# Altium PCB Urukul.PcbDoc (part 5 of 12)
Units mm, origin at the board's own origin, x right, y up, seen from the top; angles counter-clockwise.
Board outline 160.99 x 100 mm, 6 copper layers (L1, P2, L3, L4, P5, L6), stack 1.648 mm thick; 971 components, 541 nets, 3373 pads, 2358 vias.
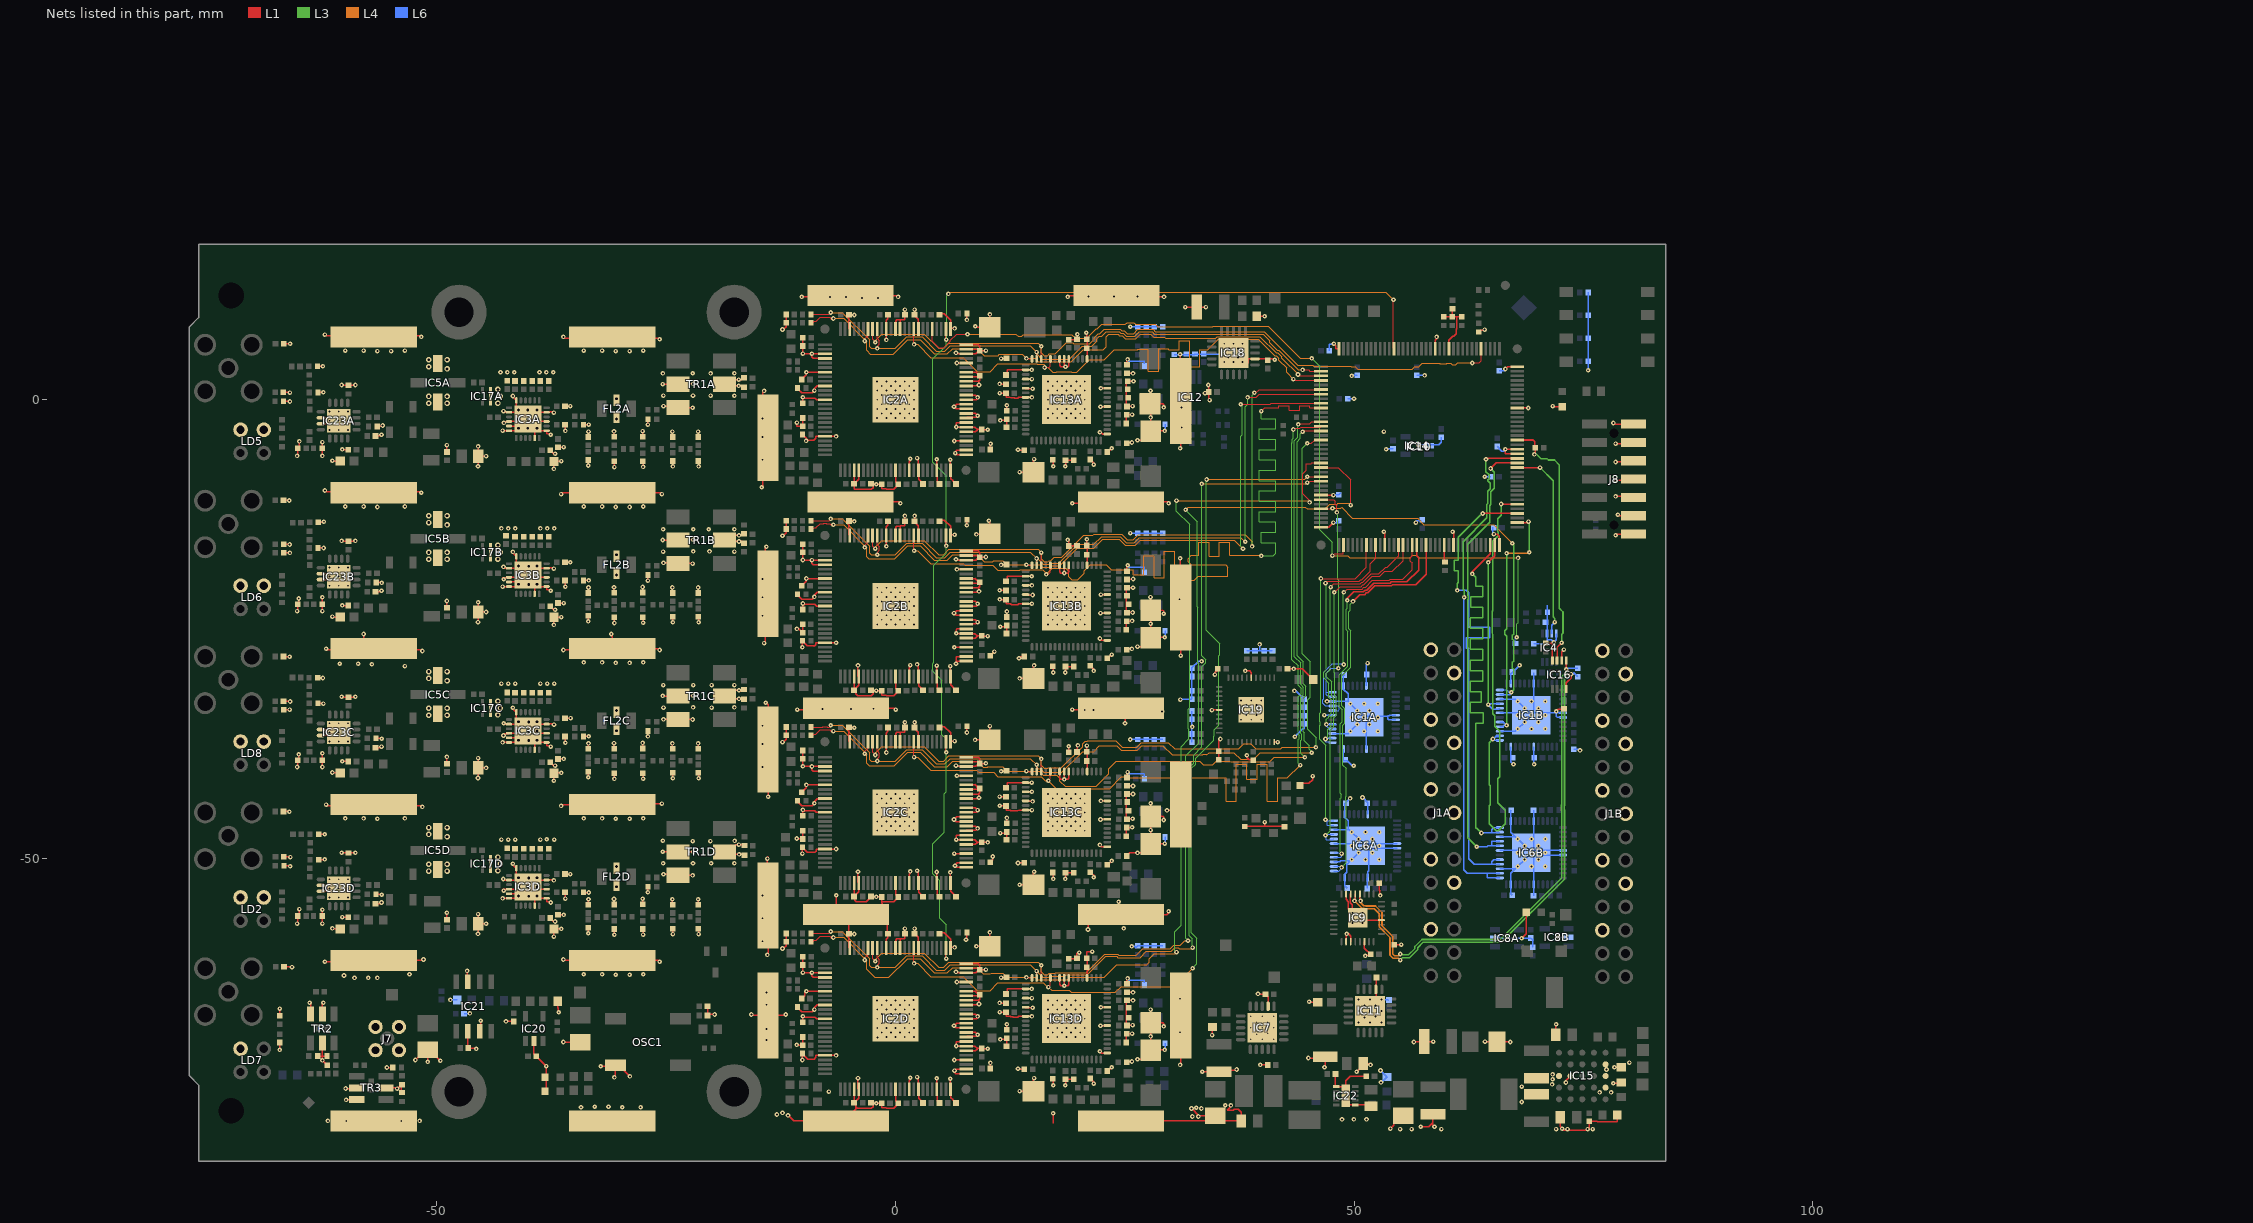
[diagram p9: the nets of this part, all layers, seen from the top]

## Via types
v1: diameter 0.5, hole 0.2, L1 to L6, tented both sides, 2267 vias
v2: diameter 0.6, hole 0.3, L1 to L6, tented both sides, 88 vias
v3: diameter 0.5, hole 0.2, L1 to L6, 3 vias

## Nets (pads, with @x,y where several pads share a name; then routed paths per layer and width w, separated by ;. In a path a pad name is that pad's centre, name@x,y a point inside that pad or via, vN(x,y) a via of type N, cw(c..) or ccw(c..) an arc to the next point about the centre after c; other vN are vias at no path point) (continued)
DDS_PROFILE.P2: IC2A.52 IC2B.52 IC2C.52 IC2D.52 IC10.132 | length 135.5
  L1 w0.127: IC2D.52@5.5,-59.8 5.5,-60.928 5.517,-60.945 v1(5.531,-60.945) ; IC2C.52@5.5,-37.3 5.5,-38.428 5.517,-38.445 v1(5.531,-38.445) ; IC2B.52@5.5,-14.8 5.5,-15.928 5.517,-15.945 v1(5.531,-15.945) ; IC2A.52@5.5,7.7 5.5,6.572 5.517,6.555 v1(5.531,6.555) ; v1(54.302,10.901) 54.302,5.596 IC10.132@54.35,5.547
  L3 w0.127: v1(5.531,-60.945) 5.531,-57.245 4.811,-56.525 4.811,-52.472 4.035,-51.695 4.035,-48.434 5.309,-47.159 5.309,-42.978 5.531,-42.756 v1(5.531,-38.445) 5.531,-37.001 5.051,-36.521 5.051,-30.616 4.035,-29.6 4.035,-28.81 4.187,-28.657 4.187,-18.08 5.531,-16.736 v1(5.531,-15.945) 5.531,-8.299 4.035,-6.802 4.035,-6.31 4.086,-6.258 4.086,4.449 5.531,5.895 v1(5.531,6.555) 5.567,6.591 5.567,11.494 5.661,11.587 5.711,11.536 v1(5.762,11.536)
  L4 w0.127: v1(5.762,11.536) 5.762,11.587 5.879,11.703 20.46,11.703 20.49,11.673 20.857,11.673 20.887,11.703 53.449,11.703 54.251,10.901 v1(54.302,10.901)
DDS_RESET: IC10.120 R142.2 R144.2 R145.2 R146.2 | length 6.8
  L1 w0.152: R146.2@59.792,9.03 59.83,9.068 R144.2@60.706,9.068 ; IC10.120@60.35,5.547 60.35,6.497 60.791,6.938 60.894,6.938 61.159,7.204 61.159,7.656 61.219,7.716 61.219,8.518 61.206,8.531 61.206,8.56 61.214,8.568 61.214,9.03 ; R142.2@60.731,9.919 60.706,9.893 R144.2@60.706,9.068 ; R145.2@61.747,9.03 61.214,9.03 ; R144.2@60.706,9.068 R144.2@60.706,9.03 61.214,9.03
DDS_SCKI0: IC2A.69 IC10.3 IC13A.64 R40A.2 | length 67.1
  L1 w0.127: R40A.2@-9.21,8.397 -9.21,8.198 -9.11,8.298 -8.873,8.535 -8.675,8.535 -8.657,8.554 -8.657,8.568 -8.232,8.993 -7.833,8.993 -7.823,9.003 -7.577,9.003 -7.567,8.993 -7.197,8.993 -7.001,8.797 -6.943,8.855 v1(-6.769,8.855) ; v1(-3.35,6.397) -3.35,6.645 -3,6.995 IC2A.69@-3,7.7 ; v1(14.275,4.497) 14.322,4.45 IC13A.64@14.89,4.45 ; v1(43.89,2.75) 44.043,2.597 IC10.3@46.4,2.597
  L4 w0.127: v1(-6.769,8.855) -5.658,8.855 -3.275,6.472 -3.158,6.356 -3.158,5.381 -2.736,4.958 -0.264,4.958 1.325,6.547 2.675,6.547 4.224,4.998 5.651,4.998 6.225,5.572 8.898,5.572 9.657,4.813 11.187,4.813 11.322,4.948 13.825,4.948 v1(14.275,4.497) 15.214,4.497 15.567,4.145 19.152,4.145 20.454,5.447 22.631,5.447 22.752,5.568 22.77,5.568 23,5.798 23,6.87 23.25,7.12 24.267,7.12 24.421,6.965 24.737,6.965 25.057,6.645 26.195,6.645 26.67,7.12 27.859,7.12 28.163,6.816 29.323,6.816 29.454,6.685 34.901,6.685 35.093,6.876 39.744,6.876 41.529,5.092 41.658,5.092 42.094,4.656 42.094,4.526 42.159,4.462 42.178,4.462 v1(43.89,2.75)
DDS_SCKI1: IC2B.69 IC10.9 IC13B.64 R40B.2 | length 81
  L1 w0.127: R40B.2@-9.21,-14.103 -9.21,-14.302 -9.11,-14.202 -8.873,-13.965 -8.675,-13.965 -8.657,-13.946 -8.657,-13.932 -8.232,-13.507 -7.833,-13.507 -7.823,-13.497 -7.577,-13.497 -7.567,-13.507 -7.197,-13.507 -7.001,-13.703 -6.943,-13.645 v1(-6.769,-13.645) ; v1(-3.35,-16.103) -3.35,-15.855 -3,-15.505 IC2B.69@-3,-14.8 ; v1(14.275,-18.003) 14.322,-18.05 IC13B.64@14.89,-18.05 ; v1(37.64,-0.5) 40.89,-0.5 40.987,-0.403 IC10.9@46.4,-0.403
  L3 w0.127: v1(37.64,-0.5) 37.791,-0.651 37.791,-3.851 37.64,-4.003 37.64,-16 v1(37.89,-16.25)
  L4 w0.127: v1(-6.769,-13.645) -5.658,-13.645 -3.275,-16.028 -3.158,-16.144 -3.158,-17.119 -2.91,-17.368 -0.091,-17.368 1.325,-15.953 2.675,-15.953 4.224,-17.502 5.651,-17.502 6.225,-16.928 8.898,-16.928 9.657,-17.687 10.586,-17.687 10.72,-17.552 11.708,-17.552 12.158,-18.003 v1(14.275,-18.003) 15.728,-18.003 15.976,-18.251 16.824,-18.251 16.969,-18.106 17.899,-18.106 19.804,-16.201 21.594,-16.201 22.585,-15.21 24.412,-15.21 25.057,-15.855 26.136,-15.855 26.68,-15.312 36.952,-15.312 v1(37.89,-16.25)
DDS_SCKI2: IC2C.69 IC10.13 IC13C.64 R40C.2 | length 103.5
  L1 w0.127: R40C.2@-9.21,-36.603 -9.21,-36.802 -9.11,-36.702 -8.873,-36.465 -8.675,-36.465 -8.657,-36.446 -8.657,-36.432 -8.232,-36.007 -7.833,-36.007 -7.823,-35.997 -7.577,-35.997 -7.567,-36.007 -7.197,-36.007 -7.001,-36.203 -6.943,-36.145 v1(-6.769,-36.145) ; v1(-3.35,-38.603) -3.35,-38.355 -3,-38.005 IC2C.69@-3,-37.3 ; v1(14.275,-40.503) 14.322,-40.55 IC13C.64@14.89,-40.55 ; v1(43.917,-2.692) 43.967,-2.642 45.163,-2.642 45.402,-2.403 IC10.13@46.4,-2.403
  L3 w0.127: v1(43.917,-2.692) 43.789,-2.692 43.853,-2.756 43.856,-2.759 43.856,-4.101 43.504,-4.452 43.504,-28.048 44.17,-28.713 44.17,-31.043 44.474,-31.347 44.474,-32.153 44.17,-32.457 44.17,-33.213 44.2,-33.244 44.2,-36.362 44.29,-36.451 44.29,-37.068 44.211,-37.148 44.211,-38.571 v1(44.64,-39)
  L4 w0.127: v1(-6.769,-36.145) -5.658,-36.145 -3.275,-38.528 -3.158,-38.644 -3.158,-39.619 -2.863,-39.915 -0.137,-39.915 1.325,-38.453 2.675,-38.453 4.224,-40.002 5.651,-40.002 6.225,-39.428 8.898,-39.428 9.563,-40.093 10.032,-40.093 10.073,-40.052 11.708,-40.052 12.158,-40.503 v1(14.275,-40.503) 15.688,-40.503 16.114,-40.929 17.575,-40.929 17.935,-41.289 17.935,-41.595 18.482,-42.143 21.899,-42.143 23.254,-40.788 23.254,-40.248 24.075,-39.428 33.19,-39.428 33.583,-39.821 34.587,-39.821 34.981,-39.428 36.467,-39.428 36.532,-39.493 40.831,-39.493 41.323,-39 v1(44.64,-39)
DDS_SCKI3: IC2D.69 IC10.22 IC13D.64 R40D.2 | length 120.5
  L1 w0.127: R40D.2@-9.21,-59.103 -9.21,-59.302 -9.11,-59.202 -8.873,-58.965 -8.675,-58.965 -8.657,-58.946 -8.657,-58.932 -8.232,-58.507 -7.833,-58.507 -7.823,-58.497 -7.577,-58.497 -7.567,-58.507 -7.197,-58.507 -7.001,-58.703 -6.943,-58.645 v1(-6.769,-58.645) ; v1(-3.35,-61.103) -3.35,-60.855 -3,-60.505 IC2D.69@-3,-59.8 ; v1(14.275,-63.003) 14.322,-63.05 IC13D.64@14.89,-63.05 ; v1(45.161,-11.201) 45.161,-11.029 44.4,-10.268 44.4,-8.078 44.78,-7.698 44.78,-6.965 45.333,-6.965 45.396,-6.903 IC10.22@46.4,-6.903
  L3 w0.127: v1(30.64,-60.244) 30.474,-60.078 30.474,-58.005 31.15,-57.329 31.15,-37.85 32,-37 32,-35.95 31.916,-35.865 31.916,-33.743 32.08,-33.579 32.08,-13.58 30.64,-12.14 v1(30.64,-11)
  L4 w0.127: v1(-6.769,-58.645) -5.658,-58.645 -3.275,-61.028 -3.158,-61.144 -3.158,-62.119 -2.275,-63.003 -0.725,-63.003 1.325,-60.953 2.675,-60.953 4.224,-62.502 5.651,-62.502 6.225,-61.928 8.898,-61.928 9.588,-62.618 10.35,-62.618 10.416,-62.552 11.708,-62.552 12.158,-63.003 v1(14.275,-63.003) 15.251,-63.003 15.5,-63.251 18.776,-63.251 19.044,-62.983 20.198,-62.983 20.205,-62.99 22.738,-62.99 24.1,-61.628 27.377,-61.628 27.674,-61.331 27.674,-60.968 28.235,-60.407 30.478,-60.407 v1(30.64,-60.244) ; v1(30.64,-11) 30.676,-11.036 45.155,-11.036 45.161,-11.042 v1(45.161,-11.201)
DDS_SDI0: IC2A.67 IC10.2 IC13A.63 R41A.2 | length 66.7
  L1 w0.127: R41A.2@-9.21,9.297 -7.959,9.297 -7.949,9.308 -7.451,9.308 -7.441,9.297 -7.2,9.297 -7.069,9.428 v1(-7.069,9.506) ; v1(-2,5.597) -2,5.816 -1.753,6.063 -1.753,6.448 -2,6.695 IC2A.67@-2,7.7 ; IC13A.63@15.39,4.45 v1(15.39,5.182) ; v1(44.39,3.25) 45.043,3.25 45.195,3.097 IC10.2@46.4,3.097
  L3 w0.127: v1@-7.133,9.33 v1@-7.1,9.297
  L4 w0.127: v1(-7.069,9.506) -5.8,9.506 -2.807,6.513 -2.807,5.746 -2.658,5.597 v1(-2,5.597) -0.038,5.597 1.204,6.839 2.908,6.839 4.458,5.29 5.374,5.29 5.948,5.864 14.708,5.864 v1(15.39,5.182) 15.39,4.982 15.948,4.424 18.967,4.424 20.39,5.847 21.422,5.847 21.968,6.392 21.968,6.64 22.241,6.913 22.489,6.913 22.974,7.399 24.383,7.399 24.537,7.244 24.852,7.244 25.173,6.924 26.079,6.924 26.554,7.399 27.974,7.399 28.231,7.142 34.963,7.142 34.977,7.155 39.86,7.155 39.873,7.142 40.077,7.142 40.808,6.411 40.808,6.207 41.644,5.371 41.774,5.371 42.373,4.771 42.373,4.767 43.89,3.25 v1(44.39,3.25)
DDS_SDI1: IC2B.67 IC10.7 IC13B.63 R41B.2 | length 80.5
  L1 w0.127: R41B.2@-9.21,-13.203 -7.959,-13.203 -7.949,-13.192 -7.451,-13.192 -7.441,-13.203 -7.2,-13.203 -7.069,-13.072 v1(-7.069,-12.994) ; v1(-2,-16.903) -2,-16.684 -1.753,-16.437 -1.753,-16.052 -2,-15.805 IC2B.67@-2,-14.8 ; IC13B.63@15.39,-18.05 v1(15.39,-17.318) ; v1(38.39,0.25) 38.425,0.285 39.333,0.285 39.646,0.597 IC10.7@46.4,0.597
  L3 w0.127: v1@-7.133,-13.17 v1@-7.1,-13.203 ; v1(38.14,-15.5) 38.14,-0.75 38.39,-0.5 v1(38.39,0.25)
  L4 w0.127: v1(-7.069,-12.994) -5.8,-12.994 -2.807,-15.987 -2.807,-16.754 -2.658,-16.903 v1(-2,-16.903) -0.038,-16.903 1.204,-15.661 2.908,-15.661 4.458,-17.21 5.374,-17.21 5.948,-16.636 14.708,-16.636 v1(15.39,-17.318) 15.437,-17.318 16.092,-17.972 16.708,-17.972 16.853,-17.827 17.819,-17.827 19.877,-15.769 21.632,-15.769 22.469,-14.931 24.528,-14.931 25.173,-15.576 26.021,-15.576 26.564,-15.033 37.673,-15.033 v1(38.14,-15.5)
DDS_SDI2: IC2C.67 IC10.15 IC13C.63 R41C.2 | length 103.3
  L1 w0.127: R41C.2@-9.21,-35.703 -7.959,-35.703 -7.949,-35.692 -7.451,-35.692 -7.441,-35.703 -7.2,-35.703 -7.069,-35.572 v1(-7.069,-35.494) ; v1(-2,-39.403) -2,-39.184 -1.753,-38.937 -1.753,-38.552 -2,-38.305 IC2C.67@-2,-37.3 ; IC13C.63@15.39,-40.55 v1(15.39,-39.818) ; v1(44.39,-3.5) 44.293,-3.403 44.39,-3.403 IC10.15@46.4,-3.403
  L3 w0.127: v1@-7.133,-35.67 v1@-7.1,-35.703 ; v1(44.39,-3.5) 44.332,-3.5 44.135,-3.698 44.135,-4.216 43.783,-4.567 43.783,-27.933 44.449,-28.598 44.449,-29.902 44.44,-29.911 44.44,-30.954 44.728,-31.242 44.728,-32.258 44.454,-32.532 44.454,-36.221 44.569,-36.336 44.569,-37.179 45.14,-37.75 45.14,-38.129 45.39,-38.379 v1(45.39,-38.5)
  L4 w0.127: v1(-7.069,-35.494) -5.8,-35.494 -2.807,-38.487 -2.807,-39.254 -2.658,-39.403 v1(-2,-39.403) -0.038,-39.403 1.204,-38.161 2.908,-38.161 4.458,-39.71 5.374,-39.71 5.948,-39.136 14.708,-39.136 v1(15.39,-39.818) 15.39,-40.027 15.586,-40.224 15.803,-40.224 16.19,-40.611 17.651,-40.611 17.726,-40.686 18.081,-40.686 20.393,-38.375 21.612,-38.375 22.226,-37.761 24.148,-37.761 24.635,-38.248 26.336,-38.248 26.867,-37.717 29.155,-37.717 30.163,-38.724 33.502,-38.724 33.536,-38.69 33.901,-38.69 33.935,-38.724 33.959,-38.724 34.205,-38.479 36.902,-38.479 37.632,-39.209 39.076,-39.209 39.785,-38.5 v1(45.39,-38.5)
DDS_SDI3: IC2D.67 IC10.26 IC13D.63 R41D.2 | length 114.6
  L1 w0.127: R41D.2@-9.21,-58.203 -7.959,-58.203 -7.949,-58.192 -7.451,-58.192 -7.441,-58.203 v1@-7.2,-58.203 ; v1@-2,-61.684 -1.753,-61.437 -1.753,-61.052 -2,-60.805 IC2D.67@-2,-59.8 ; IC13D.63@15.39,-63.05 v1(15.39,-62.318) ; v1@44.906,-8.903 IC10.26@46.4,-8.903
  L3 w0.127: v1(32.39,-59.75) 32.355,-59.715 32.355,-58.807 32.021,-58.473 32.021,-40.108 32.5,-39.629 32.5,-38.75 33.39,-37.86 33.39,-29.125 33.813,-28.702 33.813,-28.337 33.39,-27.915 33.39,-9.188 v1(33.4,-9.178)
  L4 w0.127: v1(-7.069,-57.994) -5.8,-57.994 -2.807,-60.987 -2.807,-61.754 -2.658,-61.903 v1(-2,-61.903) -0.038,-61.903 1.204,-60.661 2.908,-60.661 4.458,-62.21 5.374,-62.21 5.948,-61.636 14.708,-61.636 v1(15.39,-62.318) 16.045,-62.972 16.708,-62.972 16.82,-62.861 18.417,-62.861 18.548,-62.729 20.303,-62.729 20.31,-62.736 20.901,-62.736 22.927,-60.71 24.131,-60.71 24.253,-60.832 26.671,-60.832 27.35,-60.153 30.073,-60.153 30.447,-59.779 30.833,-59.779 30.916,-59.862 32.278,-59.862 v1(32.39,-59.75) ; v1(33.4,-9.178) 44.777,-9.178 v1(44.906,-9.049)
  L6 w0.127: v1@44.9,-8.953 44.906,-8.959 v1(44.906,-9.049)
DDS_SDO0: IC2A.68 IC10.113 IC13A.62 | length 76.8
  L1 w0.127: IC2A.68@-2.5,7.7 -2.5,6.566 v1@-2.289,6.355 ; v1@-2.392,6.255 v1(-2.219,6.255) ; IC13A.62@15.89,4.45 15.89,5.812 v1(15.9,5.822) ; v1@62.85,4.04 62.89,4.04 63.643,4.04 63.85,4.247 IC10.113@63.85,5.547
  L4 w0.127: v1(-2.219,6.255) -2.219,6.428 -1.504,7.144 3.153,7.144 4.702,5.594 5.248,5.594 5.822,6.168 15.554,6.168 v1(15.9,5.822) 15.9,5.114 16.207,4.807 16.593,4.807 16.769,4.983 17.395,4.983 18.64,6.227 19.324,6.227 19.426,6.126 21.204,6.126 21.689,6.61 21.689,6.756 22.125,7.192 22.271,7.192 22.756,7.678 24.498,7.678 24.653,7.523 24.968,7.523 25.288,7.203 25.964,7.203 26.438,7.678 28.09,7.678 28.346,7.421 34.848,7.421 34.862,7.434 39.975,7.434 39.989,7.421 40.193,7.421 43.858,3.755 45.503,3.755 45.63,3.628 49.667,3.628 49.692,3.603 50.113,3.603 50.408,3.307 56.342,3.307 56.637,3.603 57.058,3.603 57.421,3.966 59.333,3.966 59.356,3.942 60.113,3.942 60.117,3.946 60.536,3.946 60.697,3.785 61.083,3.785 61.298,4 v1(62.89,4)
DDS_SDO1: IC2B.68 IC10.6 IC13B.62 | length 73.2
  L1 w0.127: IC2B.68@-2.5,-14.8 -2.5,-15.964 v1(-2.219,-16.245) ; IC13B.62@15.89,-18.05 15.89,-16.688 v1(15.9,-16.678) ; v1(39.14,0.75) 39.298,0.75 39.646,1.097 IC10.6@46.4,1.097
  L3 w0.127: v1(38.89,-16) 38.89,0.5 v1(39.14,0.75)
  L4 w0.127: v1(-2.219,-16.245) -2.219,-16.072 -1.504,-15.356 3.153,-15.356 4.702,-16.906 5.248,-16.906 5.822,-16.331 15.554,-16.331 v1(15.9,-16.678) 15.934,-16.712 15.934,-17.42 16.207,-17.693 16.593,-17.693 16.738,-17.548 16.948,-17.548 17.331,-17.166 18.121,-17.166 20.525,-14.762 21.534,-14.762 21.644,-14.652 24.644,-14.652 25.288,-15.297 25.905,-15.297 26.448,-14.754 38.144,-14.754 38.89,-15.5 v1(38.89,-16)
DDS_SDO2: IC2C.68 IC10.17 IC13C.62 | length 92
  L1 w0.127: IC2C.68@-2.5,-37.3 -2.5,-38.464 v1(-2.219,-38.745) ; IC13C.62@15.89,-40.55 15.89,-39.188 v1(15.9,-39.178) ; v1(44.89,-4.75) 45.348,-4.75 45.695,-4.403 IC10.17@46.4,-4.403
  L3 w0.127: v1(44.89,-4.75) 44.341,-5.299 44.341,-27.706 45.236,-28.6 45.236,-32.469 44.962,-32.742 44.962,-35.94 45.89,-36.868 45.89,-37.847 v1(45.835,-37.902)
  L4 w0.127: v1(-2.219,-38.745) -2.219,-38.572 -1.504,-37.856 3.153,-37.856 4.702,-39.406 5.248,-39.406 5.822,-38.831 15.554,-38.831 v1(15.9,-39.178) 15.9,-39.886 16.207,-40.193 16.593,-40.193 16.633,-40.153 18.086,-40.153 20.409,-37.829 20.409,-37.535 20.709,-37.236 20.888,-37.236 20.942,-37.181 23.999,-37.181 24.711,-37.892 26.297,-37.892 26.805,-37.385 29.754,-37.385 30.458,-38.089 37.427,-38.089 37.986,-37.531 38.762,-37.531 39.31,-38.078 41.986,-38.078 42.18,-37.884 45.39,-37.884 45.408,-37.902 v1(45.835,-37.902)
DDS_SDO3: IC2D.68 IC10.23 IC13D.62 | length 114.4
  L1 w0.127: IC2D.68@-2.5,-59.8 -2.5,-60.964 v1(-2.219,-61.245) ; IC13D.62@15.89,-63.05 15.89,-61.688 v1(15.9,-61.678) ; IC10.23@46.4,-7.403 48.293,-7.403 49.64,-8.75 v1(49.64,-11.5)
  L3 w0.127: v1(31.64,-12) 31.64,-12.062 32.89,-13.312 32.89,-22.591 32.932,-22.632 32.932,-28.702 33.051,-28.821 33.051,-37.45 31.658,-38.842 31.658,-57.539 31.64,-57.557 31.64,-58.75 v1(31.89,-59)
  L4 w0.127: v1(-2.219,-61.245) -2.219,-61.072 -1.504,-60.356 3.153,-60.356 4.702,-61.906 5.248,-61.906 5.822,-61.332 15.554,-61.332 v1(15.9,-61.678) 15.9,-62.386 16.207,-62.693 16.593,-62.693 16.756,-62.53 17.395,-62.53 17.451,-62.475 20.408,-62.475 20.415,-62.482 20.796,-62.482 22.822,-60.456 24.236,-60.456 24.358,-60.578 26.275,-60.578 26.975,-59.878 29.954,-59.878 30.332,-59.5 31.048,-59.5 31.548,-59 v1(31.89,-59) ; v1(31.64,-12) 31.916,-11.724 44.702,-11.724 44.874,-11.896 46.836,-11.896 47.356,-11.376 48.153,-11.376 48.245,-11.285 49.425,-11.285 v1(49.64,-11.5)
DDS_SYNC_CLK0: IC2A.55 IC10.38 R31.2 | length 101.2
  L1 w0.127: IC2A.55@4,7.7 4,6.349 4.689,5.661 5.26,5.661 5.972,6.373 5.972,6.463 6.651,7.142 v1(7.845,7.142) ; v1(47.64,-17) 47.703,-17 47.884,-16.818 48.85,-16.818 IC10.38@48.85,-15.853 IC10.38@48.89,-15.813
  L3 w0.127: v1(45.39,4.5) 46.266,3.624 46.266,-14.163 47.64,-15.536 v1(47.64,-17) ; v1(67.75,-25.903) 67.75,-24.45 67.89,-24.31 v1(67.89,-17.25)
  L4 w0.127: v1(7.845,7.142) 13.126,7.142 13.367,6.9 13.753,6.9 13.954,7.101 19.239,7.101 19.657,6.684 20.944,6.684 21.131,6.87 21.131,6.987 21.894,7.75 22.011,7.75 22.496,8.236 25.073,8.236 25.25,8.413 26,8.413 26.177,8.236 28.321,8.236 28.578,7.979 34.617,7.979 34.63,7.992 40.648,7.992 44.14,4.5 v1(45.39,4.5) ; v1(47.64,-17) 48.913,-17 48.947,-17.034 49.333,-17.034 49.548,-17.25 56.143,-17.25 56.409,-16.984 56.774,-16.984 57.04,-17.25 v1(67.89,-17.25)
  L6 w0.127: R31.2@67.6,-26.583 67.6,-26.04 67.737,-25.903 v1(67.75,-25.903)
DDS_SYNC_CLK_OUTEN: IC4.3 IC10.86 | length 21.4
  L1 w0.152: IC10.86@67.8,-7.403 v1(70.279,-7.403)
  L3 w0.178: v1(70.279,-7.403) 71.708,-8.832 71.708,-23.674 71.89,-23.856 v1(71.89,-24.25)
  L6 w0.178: IC4.3@71.55,-25.503 71.55,-24.59 v1(71.89,-24.25)
DDS_SYNC_CLKSEL: IC10.60 R152.1 | length 1.9
  L1 w0.178: IC10.60@59.85,-15.853 59.85,-17.622 R152.1@59.919,-17.691
DDS_SYNC_OUTEN: IC10.92 IC16.3 R153.1 | length 28.6
  L1 w0.178: IC10.92@67.8,-4.403 69.529,-4.403 69.703,-4.577 69.703,-5.2 R153.1@69.761,-5.258 69.761,-5.88 v1(69.672,-5.969) 69.786,-5.969 v1@69.825,-6.007 ; IC16.3@72.14,-28.45 72.14,-27 v1(72.64,-26.5)
  L3 w0.178: v1(69.672,-5.969) 69.928,-5.969 70.393,-6.435 71.052,-6.435 71.197,-6.579 71.856,-6.579 72.39,-7.114 72.39,-22.75 72.792,-23.152 72.792,-25.44 72.64,-25.592 v1(72.64,-26.5)
DDS_UPDATE0: IC2A.59 IC10.4 IC13A.60 | length 64
  L1 w0.127: IC2A.59@2,7.7 2,6.047 v1(2.025,6.022) ; v1(16.252,3.51) 16.737,3.51 16.89,3.662 IC13A.60@16.89,4.45 ; v1(43.39,2.25) 43.543,2.097 IC10.4@46.4,2.097
  L4 w0.127: v1(2.025,6.022) 2.4,6.022 3.825,4.597 7.4,4.597 8.925,3.072 10.35,3.072 11.175,3.897 15.419,3.897 15.451,3.866 16.166,3.866 16.252,3.779 v1@16.174,3.702 ; v1(16.252,3.51) 16.624,3.51 17.145,2.989 17.509,2.989 17.569,3.048 19.139,3.048 19.2,2.987 19.757,2.987 21.117,4.348 22.769,4.348 23.845,5.423 25.5,5.423 26.424,5.423 26.424,5.493 27.551,5.493 27.551,5.423 27.551,3.082 28.678,3.082 28.678,5.423 28.678,5.543 29.806,5.543 29.806,5.423 30.933,5.423 30.933,6.431 32.06,6.431 32.06,5.423 32.06,3.596 33.187,3.596 33.187,5.423 33.75,5.423 34.034,5.423 35.208,6.597 39.543,6.597 41.327,4.813 41.543,4.813 41.815,4.54 41.815,4.325 42.64,3.5 42.64,3 v1(43.39,2.25)
DDS_UPDATE1: IC2B.59 IC10.10 IC13B.60 | length 120.3
  L1 w0.127: IC2B.59@2,-14.8 2,-16.453 v1(2.025,-16.478) ; v1(16.43,-19.046) 16.682,-19.046 16.89,-18.838 IC13B.60@16.89,-18.05 ; v1(39.89,-1.25) 40.237,-0.903 41.25,-0.903 41.813,-0.903 41.813,-0.657 42.94,-0.657 42.94,-0.903 42.94,-1.136 44.067,-1.136 44.067,-0.903 44.067,-0.657 45.194,-0.657 45.194,-0.903 45.75,-0.903 IC10.10@46.4,-0.903
  L3 w0.127: v1(39.89,-17.039) 41.211,-17.039 41.49,-16.76 41.49,-16.715 ; v1(39.89,-1.25) 39.89,-1.5 39.89,-2.063 41.49,-2.063 41.49,-3.19 39.89,-3.19 39.673,-3.19 39.673,-4.317 39.89,-4.317 41.49,-4.317 41.49,-5.445 39.89,-5.445 39.673,-5.445 39.673,-6.572 39.89,-6.572 41.49,-6.572 41.49,-7.699 39.89,-7.699 39.673,-7.699 39.673,-8.826 39.89,-8.826 41.49,-8.826 41.49,-9.953 39.89,-9.953 39.673,-9.953 39.673,-11.08 39.89,-11.08 41.49,-11.08 41.49,-12.207 39.89,-12.207 39.673,-12.207 39.673,-13.334 39.89,-13.334 41.49,-13.334 41.49,-14.461 39.89,-14.461 39.89,-15.588 41.49,-15.588 41.49,-16.715 ; 41.49,-16.5 41.49,-16.715
  L4 w0.127: v1(2.025,-16.478) 2.4,-16.478 3.825,-17.903 7.4,-17.903 7.55,-18.053 10.625,-18.053 11.175,-18.603 13.533,-18.603 13.606,-18.53 16.061,-18.53 v1@16.501,-18.969 ; v1(16.43,-19.046) 16.43,-19.039 v1@16.501,-18.969 ; v1(39.89,-17.039) 39.831,-16.98 37.5,-16.98 36.445,-16.98 36.445,-15.566 35.318,-15.566 35.318,-16.98 35.318,-17.06 34.191,-17.06 34.191,-16.98 34.191,-15.566 33.064,-15.566 33.064,-16.98 32.5,-16.98 32.27,-16.98 31.923,-17.327 31.923,-17.673 32.25,-18 36,-18 36.25,-18.25 36.25,-19.25 33,-19.25 32.583,-19.667 31.576,-19.667 30.449,-19.667 30.449,-18.546 30.449,-16.547 29.322,-16.547 29.322,-18.546 29.322,-19.418 28.195,-19.418 28.195,-18.546 28.195,-16.996 27.067,-16.996 27.067,-18.546 27.067,-19.115 25.94,-19.115 25.94,-18.546 24.813,-18.546 24.25,-18.546 23.512,-18.546 23.254,-18.288 23.254,-18.254 23,-18 21.25,-18 20.6,-18.65 20.6,-18.914 19.871,-19.643 19.218,-19.643 18.866,-19.291 18.866,-18.71 18.541,-18.385 17.084,-18.385 v1@16.501,-18.969
DDS_UPDATE2: IC2C.59 IC10.14 IC13C.60 | length 104.4
  L1 w0.127: IC2C.59@2,-37.3 2,-38.953 v1(2.025,-38.978) ; v1(16.675,-41.553) 16.89,-41.338 IC13C.60@16.89,-40.55 ; v1(43.39,-3.25) 43.507,-3.133 44.099,-3.133 44.232,-3 46.303,-3 IC10.14@46.4,-2.903
  L3 w0.127: v1(43.39,-3.25) 43.361,-3.279 43.361,-4.201 43.239,-4.323 43.239,-4.692 43.225,-4.706 43.225,-28.335 43.891,-29.001 43.891,-31.123 44.22,-31.452 44.22,-32.048 43.891,-32.377 43.891,-33.329 43.932,-33.37 43.932,-36.488 44.011,-36.567 44.011,-36.953 43.932,-37.032 43.932,-39.64 v1(44.14,-39.848)
  L4 w0.127: v1(2.025,-38.978) 2.4,-38.978 3.825,-40.403 8.85,-40.403 9.1,-40.653 10.725,-40.653 11.175,-41.103 15.893,-41.103 16.343,-41.553 v1(16.675,-41.553) 17.545,-42.422 23.356,-42.422 24.634,-41.144 25.413,-41.144 25.522,-41.253 33,-41.253 36.051,-41.253 36.051,-43.793 37.178,-43.793 37.178,-41.253 37.178,-39.747 38.305,-39.747 38.305,-41.253 38.305,-41.364 39.432,-41.364 39.432,-41.253 39.432,-39.747 40.559,-39.747 40.559,-41.253 40.559,-43.793 41.687,-43.793 41.687,-41.253 42.25,-41.253 42.735,-41.253 v1(44.14,-39.848)
DDS_UPDATE3: IC2D.59 IC10.25 IC13D.60 | length 104.5
  L1 w0.127: IC2D.59@2,-59.8 2,-61.453 v1(2.025,-61.478) ; v1(16.675,-64.053) 16.89,-63.838 IC13D.60@16.89,-63.05 ; v1(44.9,-8.403) IC10.25@46.4,-8.403
  L3 w0.127: v1(32.39,-62) 32.855,-61.534 32.855,-58.715 32.275,-58.135 32.275,-40.213 32.754,-39.735 32.754,-39.119 34.71,-37.163 34.71,-36.705 34.75,-36.665 34.75,-36 35.25,-35.5 35.25,-30.184 35.274,-30.161 35.274,-29.796 35.25,-29.772 35.25,-27.951 35.362,-27.839 35.362,-26.612 33.89,-25.14 33.89,-8.738 v1(33.925,-8.703)
  L4 w0.127: v1(2.025,-61.478) 2.4,-61.478 3.825,-62.903 7.4,-62.903 8.925,-64.428 10.35,-64.428 11.175,-63.603 16.134,-63.603 16.584,-64.053 v1(16.675,-64.053) 17.032,-64.41 18.949,-64.41 19.182,-64.643 23.959,-64.643 24.6,-64.003 30.387,-64.003 v1(32.39,-62) ; v1(33.925,-8.703) 44.6,-8.703 v1(44.9,-8.403)
EEM0_0: IC1A.35 IC1A.36 IC10.30 | length 25.3
  L1 w0.127: IC10.30@46.4,-10.903 47.793,-10.903 47.958,-11.068 47.958,-11.407 48.14,-11.588 48.133,-11.595 v1(48.133,-12.294)
  L3 w0.127: v1(48.133,-12.294) 48.184,-12.294 48.215,-12.326 48.215,-19.566 48.324,-19.674 v1@48.324,-29.278
  L6 w0.127: 46.988,-31.903 IC1A.36@47.65,-31.903 ; IC1A.35@47.65,-32.403 47.225,-32.403 46.985,-32.162 46.985,-29.835 47.542,-29.278 v1(48.3,-29.278)
EEM0_1: IC1A.32 IC1A.33 IC10.53 | length 27.9
  L1 w0.127: v1(48.89,-21) 49.236,-20.654 50.898,-20.654 51.084,-20.468 51.258,-20.468 52.011,-19.716 53.833,-19.716 53.96,-19.589 55.301,-19.589 56.35,-18.54 56.35,-17.806 56.151,-17.607 56.151,-17.242 56.35,-17.043 IC10.53@56.35,-15.853
  L3 w0.127: v1@48.856,-28.878 48.823,-28.845 48.823,-21.067 v1(48.89,-21)
  L6 w0.127: IC1A.33@47.242,-33.368 46.856,-33.368 46.583,-33.095 46.583,-32.71 46.705,-32.588 46.705,-29.719 47.613,-28.812 48.809,-28.812 v1(48.875,-28.878) ; IC1A.32@47.65,-33.903 48.312,-33.903 48.39,-33.825 48.39,-33.425 48.367,-33.403 IC1A.33@47.65,-33.403
EEM0_2: IC1A.28 IC1A.29 IC10.45 | length 27
  L1 w0.127: v1(46.89,-20) 47.073,-19.817 50.551,-19.817 50.737,-19.631 50.845,-19.631 51.76,-18.715 51.76,-17.892 52.35,-17.303 IC10.45@52.35,-15.853
  L3 w0.127: v1(46.988,-35.403) 46.988,-34.873 47.237,-34.623 47.237,-34.454 47.514,-34.177 47.514,-32.71 47.266,-32.461 47.266,-30.896 46.705,-30.336 46.705,-29.719 46.988,-29.437 v1@46.988,-20
  L6 w0.127: IC1A.28@47.987,-35.903 IC1A.28@47.65,-35.903 47.318,-35.903 47.014,-35.599 46.988,-35.625 v1(46.988,-35.403) IC1A.29@47.65,-35.403 IC1A.29@48.043,-35.403
EEM0_3: IC1A.25 IC1A.26 IC10.50 | length 29.1
  L1 w0.127: v1(47.453,-20.436) 47.794,-20.096 50.666,-20.096 50.853,-19.91 50.961,-19.91 51.876,-18.995 52.698,-18.995 53.437,-18.255 53.635,-18.255 54.85,-17.04 IC10.50@54.85,-15.853
  L3 w0.127: v1(46.89,-37) 47.111,-36.779 47.111,-35.938 47.516,-35.532 47.516,-34.569 47.793,-34.292 47.793,-32.594 47.545,-32.345 47.545,-30.78 46.985,-30.22 46.985,-29.835 47.383,-29.436 47.383,-20.443 v1@47.39,-20.436
  L6 w0.127: IC1A.25@47.43,-37.318 46.89,-37.318 v1(46.89,-37) 46.987,-36.903 IC1A.26@47.65,-36.903
EEM0_4: IC6A.35 IC6A.36 IC10.43 | length 36.6
  L1 w0.127: v1(46.39,-19.5) 50.14,-19.5 51.35,-18.29 IC10.43@51.35,-15.853
  L3 w0.127: v1(46.39,-19.5) 46.39,-34.103 46.283,-34.21 46.283,-35.096 46.3,-35.113 46.3,-35.478 46.283,-35.495 46.283,-37.052 46.89,-37.658 v1(46.89,-45.805)
  L6 w0.127: IC6A.35@47.8,-46.403 47.06,-46.403 47.06,-45.975 46.987,-45.903 IC6A.36@47.8,-45.903
EEM0_5: IC6A.32 IC6A.33 IC10.51 | length 40.1
  L1 w0.127: v1(47.849,-21.002) 47.888,-21.002 48.515,-20.375 50.782,-20.375 50.968,-20.189 51.076,-20.189 51.991,-19.274 52.814,-19.274 53.366,-18.721 54.169,-18.721 55.35,-17.54 IC10.51@55.35,-15.853
  L3 w0.127: v1(46.89,-47.5) 47.39,-47 47.39,-36.053 47.796,-35.648 47.796,-34.685 48.072,-34.408 48.072,-32.479 47.916,-32.322 47.916,-29.835 47.834,-29.754 47.834,-21.084 47.883,-21.036 v1@47.919,-21
  L6 w0.127: IC6A.32@47.8,-47.903 47.741,-47.961 46.949,-47.961 46.949,-47.559 v1(46.89,-47.5) 46.987,-47.403 IC6A.33@47.8,-47.403
EEM0_6: IC6A.28 IC6A.29 IC10.54 | length 42.7
  L1 w0.152: v1(49.263,-21.873) 49.263,-21.627 49.944,-20.946 51.018,-20.946 51.204,-20.759 51.379,-20.759 52.131,-20.007 53.954,-20.007 54.08,-19.88 55.76,-19.88 57.044,-18.596 57.044,-17.237 56.85,-17.042 IC10.54@56.85,-15.853
  L3 w0.127: v1(48.64,-49.5) 48.517,-49.377 48.517,-43.469 48.591,-43.395 48.591,-43.01 48.517,-42.936 48.517,-35.343 48.726,-35.134 48.726,-33.823 48.401,-33.498 48.401,-30.009 49.341,-29.07 49.341,-25.321 49.13,-25.111 49.13,-22.875 49.263,-22.741 v1(49.263,-21.873)
  L6 w0.127: IC6A.28@47.8,-49.903 48.535,-49.903 48.64,-49.798 v1(48.64,-49.5) 48.543,-49.403 IC6A.29@47.8,-49.403
EEM0_7: IC6A.25 IC6A.26 IC10.56 | length 44.6
  L1 w0.152: v1(49.89,-22) 50.64,-21.25 51.144,-21.25 51.331,-21.064 51.505,-21.064 52.258,-20.312 54.08,-20.312 54.206,-20.185 56.705,-20.185 57.85,-19.04 IC10.56@57.85,-15.853
  L3 w0.127: v1(48.64,-51) 48.661,-51 49.14,-50.521 49.14,-43.701 49.11,-43.67 49.11,-43.285 49.14,-43.254 49.14,-40.212 48.796,-39.868 48.796,-35.509 49.006,-35.3 49.006,-33.707 48.68,-33.382 48.68,-30.125 49.62,-29.186 49.62,-25.206 49.409,-24.995 49.409,-23.111 49.568,-22.951 49.568,-22.322 v1(49.89,-22)
  L6 w0.127: IC6A.25@47.8,-51.403 48.335,-51.403 48.64,-51.097 v1(48.64,-51) 48.543,-50.903 IC6A.26@47.8,-50.903
EEM1_0: IC1B.35 IC1B.36 IC10.32 | length 42
  L1 w0.127: IC10.32@46.4,-11.903 47.35,-11.903 47.39,-11.943 47.573,-11.759 47.583,-11.75 47.65,-11.818 v1(47.65,-11.836)
  L3 w0.152: v1(67.14,-31.901) 67.39,-31.651 67.39,-29.399 67.267,-29.277 67.267,-28.628 67.39,-28.506 67.39,-26.219 67.272,-26.101 67.272,-25.705 67.39,-25.586 67.39,-15.694 v1@67.348,-15.653
  L4 w0.127: v1(47.65,-11.836) 48.554,-11.836 48.64,-11.75 49.827,-12.937 56.943,-12.937 57.624,-13.618 65.216,-13.618 v1(67.25,-15.653)
  L6 w0.127: IC1B.36@65.9,-31.653 66.65,-31.653 66.898,-31.901 v1(67.14,-31.901)
  L6 w0.152: IC1B.35@65.9,-32.153 66.987,-32.153 67.14,-32 v1(67.14,-31.901)
EEM1_1: IC1B.32 IC1B.33 IC10.71 | length 20.5
  L1 w0.152: v1(64.64,-17.75) 65.35,-17.04 IC10.71@65.35,-15.853
  L3 w0.152: v1(64.64,-33.25) v1(64.64,-17.75)
  L6 w0.152: IC1B.32@65.9,-33.653 65.803,-33.75 65.14,-33.75 v1(64.64,-33.25) 64.737,-33.153 IC1B.33@65.9,-33.153
EEM1_2: IC1B.28 IC1B.29 IC10.74 | length 27.8
  L1 w0.152: IC10.74@67.8,-13.403 68.918,-13.403 v1(69.029,-13.292)
  L3 w0.152: v1(66.64,-35.5) 66.64,-25.823 66.409,-25.592 66.409,-25.196 66.64,-24.964 v1(66.64,-16.75) ; v1(69.029,-13.292) 69.1,-13.363 v1(69.1,-16.632)
  L4 w0.152: v1(66.64,-16.75) 68.982,-16.75 v1(69.1,-16.632)
  L6 w0.152: IC1B.28@65.9,-35.653 66.237,-35.653 66.39,-35.5 v1(66.64,-35.5) 66.293,-35.153 IC1B.29@65.9,-35.153
EEM1_3: IC1B.25 IC1B.26 IC10.78 | length 52
  L1 w0.152: v1(66.037,-11.374) 66.037,-11.397 66.043,-11.403 IC10.78@67.8,-11.403
  L3 w0.152: v1(65.14,-37) 64.75,-37.39 64.75,-42 64.843,-42.093 64.843,-44.188 64.75,-44.281 64.75,-46.25 65.5,-47 65.75,-47 66.5,-46.25 66.5,-44.75 65.687,-43.937 65.687,-41.313 65.907,-41.093 65.907,-36.157 65.353,-35.603 65.353,-34.48 65.14,-34.266 65.14,-25.58 65.05,-25.49 65.05,-23.094 65.14,-23.004 65.14,-15.439 65.728,-14.851 65.728,-14.455 65.694,-14.421 65.694,-12.969 66.037,-12.626 v1(66.037,-11.374)
  L6 w0.152: 65.39,-36.75 65.445,-36.75 ; IC1B.25@65.9,-37.153 65.238,-37.153 65.14,-37.055 65.167,-37.027 65.445,-36.75 ; 65.445,-36.75 65.803,-36.75 IC1B.26@65.9,-36.653 65.542,-36.653 65.445,-36.75
EEM1_4: IC6B.35 IC6B.36 IC10.70 | length 54
  L1 w0.152: v1(62.89,-19) 62.89,-18.763 64.85,-16.803 IC10.70@64.85,-15.853
  L3 w0.152: v1(62.89,-19) 63.25,-19.36 63.25,-19.75 63.25,-20.326 64.056,-20.326 64.056,-21.479 63.25,-21.479 62.733,-21.479 62.733,-22.631 63.25,-22.631 64.056,-22.631 64.056,-23.783 63.25,-23.783 62.669,-23.783 62.669,-24.936 63.25,-24.936 64.056,-24.936 64.056,-26.088 63.25,-26.088 62.669,-26.088 62.669,-27.241 63.25,-27.241 64.056,-27.241 64.056,-28.393 63.25,-28.393 62.669,-28.393 62.669,-29.545 63.25,-29.545 64.056,-29.545 64.056,-30.698 63.25,-30.698 62.669,-30.698 62.669,-31.85 63.25,-31.85 63.887,-31.85 63.887,-33.003 63.25,-33.003 62.669,-33.003 62.669,-34.155 63.25,-34.155 64.111,-34.155 64.111,-35.307 63.25,-35.307 63.25,-35.5 63.25,-46.75 63.39,-46.75 v1(63.89,-47.25)
  L6 w0.152: v1(63.89,-47.25) 65,-47.25 ; IC6B.35@65.9,-47.153 65.803,-47.25 65,-47.25 ; IC6B.36@65.9,-46.653 65.238,-46.653 65,-46.89 65,-47.25
EEM1_5: IC6B.32 IC6B.33 IC10.87 | length 50.2
  L1 w0.152: v1(64.89,-7.5) 65.487,-6.903 IC10.87@67.8,-6.903
  L3 w0.152: v1(63.39,-48.75) 62.39,-47.75 62.39,-21.804 62.453,-21.74 62.453,-21.365 62.39,-21.302 62.39,-15.75 64.775,-13.365 64.775,-11.539 64.89,-11.424 64.89,-10.043 65.291,-9.642 65.291,-7.901 v1(64.89,-7.5)
  L6 w0.152: v1(63.39,-48.75) 64.5,-48.75 64.597,-48.653 65,-48.653 ; IC6B.32@65.9,-48.653 65,-48.653 ; IC6B.33@65.9,-48.153 65,-48.153 65,-48.653
EEM1_6: IC6B.28 IC6B.29 IC10.76 | length 54.7
  L1 w0.152: v1(64.03,-12.415) 64,-12.415 63.987,-12.403 64.03,-12.403 IC10.76@67.8,-12.403
  L3 w0.152: v1(61.25,-20.803) 61.25,-20.053 61.39,-19.913 61.39,-19.25 61.39,-18.674 60.951,-18.674 60.951,-17.521 61.39,-17.521 61.39,-15 63.987,-12.403 64,-12.415 v1(64.03,-12.415)
  L6 w0.152: v1(61.25,-20.803) 62.25,-20.803 62.5,-21.053 62.5,-24.25 62.5,-24.826 64.811,-24.826 64.811,-25.979 62.5,-25.979 62.253,-25.979 62.253,-27.131 62.5,-27.131 62.5,-30.25 62.5,-50.053 63.1,-50.653 65,-50.653 ; IC6B.28@65.9,-50.653 65,-50.653 ; IC6B.29@65.9,-50.153 65.25,-50.153 65,-50.403 65,-50.653
EEM1_7: IC6B.25 IC6B.26 IC10.88 | length 55.8
  L1 w0.152: v1(64.39,-6.5) 64.487,-6.403 IC10.88@67.8,-6.403
  L3 w0.152: v1(62,-21.553) 62,-20.803 61.89,-20.693 61.89,-15.5 64.496,-12.894 64.496,-11.424 64.578,-11.341 64.578,-9.96 64.832,-9.706 64.832,-9.099 64.578,-8.845 64.578,-8.751 64.728,-8.601 64.728,-8.205 64.39,-7.866 v1(64.39,-6.5)
  L6 w0.152: v1(62,-21.553) 61.973,-21.579 61.973,-50.526 61.937,-50.562 61.937,-51.239 62.35,-51.653 64.5,-51.653 ; IC6B.25@65.9,-52.153 64.5,-52.153 64.5,-51.653 ; IC6B.26@65.9,-51.653 64.5,-51.653
FB_SYNC_N: IC9.20 IC16.1 R114.2 | length 56.3
  L1 w0.152: IC9.20@50.64,-53.9 50.64,-54.508 50.635,-54.503 50.635,-54.574 v1(50.711,-54.65) ; v1(73.14,-29.402) IC16.1@73.14,-28.45
  L3 w0.178: v1(55.039,-60.447) 55.14,-60.548 55.928,-60.548 56.639,-59.837 56.639,-59.635 57.402,-58.872 65.935,-58.872 72.64,-52.167 72.64,-44.84 72.619,-44.819 72.619,-44.181 72.64,-44.16 72.64,-32.827 72.646,-32.821 72.646,-32.415 72.64,-32.409 72.64,-30.207 73.14,-29.707 v1(73.14,-29.402)
  L4 w0.178: v1@50.559,-54.676 50.622,-54.739 51.062,-55.179 51.259,-55.179 51.296,-55.216 52.344,-55.216 53.055,-55.926 53.055,-57.357 54.227,-58.53 54.227,-60.447 54.405,-60.624 54.861,-60.624 v1(55.039,-60.447)
  L6 w0.152: v1(73.14,-29.402) 73.294,-29.402 73.417,-29.28 R114.2@74.39,-29.28
FB_SYNC_P: IC9.21 IC16.8 R114.1 | length 57.8
  L1 w0.152: v1(50.051,-54.65) 50.14,-54.561 IC9.21@50.14,-53.9 ; IC16.8@73.14,-31.55 73.14,-30.849 73.66,-30.328 v1(73.66,-29.923)
  L3 w0.178: v1(55.039,-61.107) 55.293,-60.853 56.054,-60.853 56.944,-59.963 56.944,-59.761 57.528,-59.177 66.061,-59.177 72.945,-52.293 72.945,-44.714 72.924,-44.693 72.924,-44.307 72.945,-44.286 72.945,-32.953 72.95,-32.948 72.95,-32.289 72.945,-32.283 72.945,-30.334 73.356,-29.923 v1(73.66,-29.923)
  L4 w0.178: v1(50.051,-54.65) 50.885,-55.484 51.133,-55.484 51.17,-55.521 52.218,-55.521 52.75,-56.053 52.75,-57.484 53.923,-58.656 53.923,-60.573 54.279,-60.929 54.861,-60.929 v1(55.039,-61.107)
  L6 w0.152: v1(73.66,-29.923) 73.824,-29.923 73.959,-29.789 R114.1@74.39,-30.22
GND: C1.1 C2A.1 C2B.1 C3A.1 C3B.1 C4A.1 C4B.1 C5A.1 C5B.1 C6A.1 C6B.1 C7A.1 C7B.1 C8A.1 C8B.1 C9A.1 C9B.1 C10A.1 C10B.1 C11.2 C12A.1 C12B.1 C12C.1 C12D.1 C13.1 C14A.1 C14B.1 C14C.1 C14D.1 C15A.1 C15B.1 C15C.1 C15D.1 C16A.1 C16B.1 C16C.1 C16D.1 C17A.1 C17B.1 C17C.1 C17D.1 C18A.1 C18B.1 C18C.1 C18D.1 C19A.1 C19B.1 C19C.1 C19D.1 C20A.1 C20B.1 C20C.1 C20D.1 C21A.1 C21B.1 C21C.1 C21D.1 C22A.1 C22B.1 C22C.1 C22D.1 C23A.1 C23B.1 C23C.1 C23D.1 C24A.1 C24B.1 C24C.1 C24D.1 C25.1 C26A.1 C26B.1 C26C.1 C26D.1 C27A.1 C27B.1 C27C.1 C27D.1 C31.2 C32.1 C33.2 C34.1 C35.2 C37.2 C38A.2 C38B.2 C38C.2 C38D.2 C39A.1 C39B.1 C39C.1 C39D.1 C40A.1 C40B.1 C40C.1 C40D.1 C41.1 C42.1 C43A.1 C43B.1 C43C.1 C43D.1 C45.1 C46.1 C48.1 C51A.1 C51B.1 C51C.1 C51D.1 C52A.1 C52B.1 C52C.1 C52D.1 C53A.1 C53B.1 C53C.1 C53D.1 C63.2 C64.1 C67.1 C69.1 C70.1 C73.1 C74.2 C75.1 C76.2 C77.1 C78.1 C79.2 C80.2 C82A.1 C82B.1 C82C.1 C82D.1 C83A.1 C83B.1 C83C.1 C83D.1 C84A.2 C84B.2 C84C.2 C84D.2 C85A.1 C85B.1 C85C.1 C85D.1 C86.1 C87A.1 C87B.1 C87C.1 C87D.1 C89.1 C90.1 C91.1 C94.1 C97.1 C98.1 C100.1 C101.1 C102.1 C104.1 C105A.1 C105B.1 C105C.1 C105D.1 C106A.1 C106B.1 C106C.1 C106D.1 C108A.1 C108B.1 C108C.1 C108D.1 C109A.1 C109B.1 C109C.1 C109D.1 C110A.1 C110B.1 C110C.1 C110D.1 C111A.1 C111B.1 C111C.1 C111D.1 C114A.2 C114B.2 C114C.2 C114D.2 C115A.2 C115B.2 C115C.2 C115D.2 C116A.1 C116B.1 C116C.1 C116D.1 C117A.1 C117B.1 C117C.1 C117D.1 C118A.1 C118B.1 C118C.1 C118D.1 C119A.1 C119B.1 C119C.1 C119D.1 C120A.1 C120B.1 C120C.1 C120D.1 C124A.1 C124B.1 C124C.1 C124D.1 C125A.1 C125B.1 C125C.1 C125D.1 C126A.1 C126B.1 C126C.1 C126D.1 C127A.1 C127B.1 C127C.1 C127D.1 C128A.1 C128B.1 C128C.1 C128D.1 C129A.1 C129B.1 C129C.1 C129D.1 C130A.1 C130B.1 C130C.1 C130D.1 C133A.1 C133B.1 C133C.1 C133D.1 C134A.1 C134B.1 C134C.1 C134D.1 C135A.1 C135B.1 C135C.1 C135D.1 C136A.1 C136B.1 C136C.1 C136D.1 C137A.1 C137B.1 C137C.1 C137D.1 C138A.1 C138B.1 C138C.1 C138D.1 C140A.1 C140B.1 C140C.1 C140D.1 C141A.1 C141B.1 C141C.1 C141D.1 C142A.1 C142B.1 C142C.1 C142D.1 C143A.1 C143B.1 C143C.1 C143D.1 C144A.1 C144B.1 C144C.1 C144D.1 C146A.1 C146B.1 C146C.1 C146D.1 C147A.1 C147B.1 C147C.1 C147D.1 C148A.1 C148B.1 C148C.1 C148D.1 C149A.1 C149B.1 C149C.1 C149D.1 C150A.1 C150B.1 C150C.1 C150D.1 C151A.1 C151B.1 C151C.1 C151D.1 C153A.1 C153B.1 C153C.1 C153D.1 C154A.1 C154B.1 C154C.1 C154D.1 C155.2 C156.2 C157A.1 C157B.1 C157C.1 C157D.1 C158A.1 C158B.1 C158C.1 C158D.1 C159A.1 C159B.1 C159C.1 C159D.1 C160.2 C161.1 C162A.2 C162B.2 C162C.2 C162D.2 C163.1 C164A.2 C164B.2 C164C.2 C164D.2 C165.1 C166.1 C167.2 C168.1 C169.1 C171.1 C172A.2 C172B.2 C172C.2 C172D.2 C173.1 C174.1 C176A.2 C176B.2 C176C.2 C176D.2 C177.1 C178.1 C179.1 C180A.2 C180B.2 C180C.2 C180D.2 C181.1 C182.1 C183.1 C184.1 C185.1 C186.1 C187.1 C188.1 C191.1 C192.1 C193.1 C195.2 C197.1 C198.1 C199.1 C200.1 C201.1 C202A.2 C202B.2 C202C.2 C202D.2 C203A.1 C203B.1 C203C.1 C203D.1 C204A.1 C204B.1 C204C.1 C204D.1 C205A.1 C205B.1 C205C.1 C205D.1 C206A.1 C206B.1 C206C.1 C206D.1 C207A.1 C207B.1 C207C.1 C207D.1 CLIP1.1 CLIP2.1 CLIP3.1 CLIP4.1 CLIP5.1 CLIP6.1 CLIP7.1 CLIP8.1 CLIP9.1 CLIP10.1 CLIP11.1 CLIP12.1 CLIP13.1 CLIP14.1 CLIP15.1 CLIP16.1 CLIP17.1 CLIP18.1 CLIP19.1 CLIP20.1 CLIP21.1 CLIP22.1 CLIP23.1 CLIP24.1 CLIP25.1 CLIP26.1 CLIP27.1 CLIP28.1 CLIP29.1 CLIP30.1 CLIP31.1 FL2A.2 FL2A.4 FL2B.2 FL2B.4 FL2C.2 FL2C.4 FL2D.2 FL2D.4 IC1A.6 IC1A.7 IC1A.18 IC1A.23 IC1A.27 IC1A.31 IC1A.34 IC1A.38 IC1A.43 IC1A.49 IC1B.6 IC1B.7 IC1B.18 IC1B.23 IC1B.27 IC1B.31 IC1B.34 IC1B.38 IC1B.43 IC1B.49 IC2A.4 IC2A.5 IC2A.13 IC2A.16 IC2A.18 IC2A.22 IC2A.25 IC2A.26 IC2A.27 IC2A.29 IC2A.31 IC2A.32 IC2A.33 IC2A.34 IC2A.35 IC2A.36 IC2A.37 IC2A.38 IC2A.39 IC2A.41 IC2A.42 IC2A.43 IC2A.44 IC2A.46 IC2A.48 IC2A.49 IC2A.50 IC2A.51 IC2A.58 IC2A.62 IC2A.63 IC2A.65 IC2A.73 IC2A.78 IC2A.79 IC2A.82 IC2A.85 IC2A.88 IC2A.96 IC2A.101 IC2B.4 IC2B.5 IC2B.13 IC2B.16 IC2B.18 IC2B.22 IC2B.25 IC2B.26 IC2B.27 IC2B.29 IC2B.31 IC2B.32 IC2B.33 IC2B.34 IC2B.35 IC2B.36 IC2B.37 IC2B.38 IC2B.39 IC2B.41 IC2B.42 IC2B.43 IC2B.44 IC2B.46 IC2B.48 IC2B.49 IC2B.50 IC2B.51 IC2B.58 IC2B.62 IC2B.63 IC2B.65 IC2B.73 IC2B.78 IC2B.79 IC2B.82 IC2B.85 IC2B.88 IC2B.96 IC2B.101 IC2C.4 IC2C.5 IC2C.13 IC2C.16 IC2C.18 IC2C.22 IC2C.25 IC2C.26 IC2C.27 IC2C.29 IC2C.31 IC2C.32 IC2C.33 IC2C.34 IC2C.35 IC2C.36 IC2C.37 IC2C.38 IC2C.39 IC2C.41 IC2C.42 IC2C.43 IC2C.44 IC2C.46 IC2C.48 IC2C.49 IC2C.50 IC2C.51 IC2C.58 IC2C.62 IC2C.63 IC2C.65 IC2C.73 IC2C.78 IC2C.79 IC2C.82 IC2C.85 IC2C.88 IC2C.96 IC2C.101 IC2D.4 IC2D.5 IC2D.13 IC2D.16 IC2D.18 IC2D.22 IC2D.25 IC2D.26 IC2D.27 IC2D.29 IC2D.31 IC2D.32 IC2D.33 IC2D.34 IC2D.35 IC2D.36 IC2D.37 IC2D.38 IC2D.39 IC2D.41 IC2D.42 IC2D.43 IC2D.44 IC2D.46 IC2D.48 IC2D.49 IC2D.50 IC2D.51 IC2D.58 IC2D.62 IC2D.63 IC2D.65 IC2D.73 IC2D.78 IC2D.79 IC2D.82 IC2D.85 IC2D.88 IC2D.96 IC2D.101 IC3A.1 IC3A.3 IC3A.5 IC3A.12 IC3A.14 IC3A.16 IC3A.17 IC3A.18 IC3A.23 IC3A.25 IC3B.1 IC3B.3 IC3B.5 IC3B.12 IC3B.14 IC3B.16 IC3B.17 IC3B.18 IC3B.23 IC3B.25 IC3C.1 IC3C.3 IC3C.5 IC3C.12 IC3C.14 IC3C.16 IC3C.17 IC3C.18 IC3C.23 IC3C.25 IC3D.1 IC3D.3 IC3D.5 IC3D.12 IC3D.14 IC3D.16 IC3D.17 IC3D.18 IC3D.23 IC3D.25 IC4.2 IC4.4 IC5A.2 IC5A.4 IC5B.2 IC5B.4 IC5C.2 IC5C.4 IC5D.2 IC5D.4 IC6A.6 IC6A.7 IC6A.18 IC6A.23 IC6A.27 IC6A.31 IC6A.34 IC6A.38 IC6A.43 IC6A.49 IC6B.6 IC6B.7 IC6B.18 IC6B.23 IC6B.27 IC6B.31 IC6B.34 IC6B.38 IC6B.43 IC6B.49 IC7.12 IC7.21 IC8A.2 IC8B.2 IC9.2 IC9.3 IC9.6 IC9.12 IC9.22 IC9.23 IC9.33 IC10.29 IC10.36 IC10.47 IC10.62 IC10.72 IC10.89 IC10.90 IC10.99 IC10.108 IC10.123 IC10.144 IC11.12 IC11.21 IC12.4 IC13A.2 IC13A.4 IC13A.6 IC13A.8 IC13A.33 IC13A.39 IC13A.43 IC13A.52 IC13A.56 IC13A.57 IC13A.58 IC13A.65 IC13B.2 IC13B.4 IC13B.6 IC13B.8 IC13B.33 IC13B.39 IC13B.43 IC13B.52 IC13B.56 IC13B.57 IC13B.58 IC13B.65 IC13C.2 IC13C.4 IC13C.6 IC13C.8 IC13C.33 IC13C.39 IC13C.43 IC13C.52 IC13C.56 IC13C.57 IC13C.58 IC13C.65 IC13D.2 IC13D.4 IC13D.6 IC13D.8 IC13D.33 IC13D.39 IC13D.43 IC13D.52 IC13D.56 IC13D.57 IC13D.58 IC13D.65 IC14.2 IC15.B5 IC15.C1 IC15.C2 IC15.C5 IC15.D5 IC16.2 IC16.4 IC17A.3 IC17B.3 IC17C.3 IC17D.3 IC18.12 IC18.21 IC19.6 IC19.22 IC19.39 IC19.45 IC20.2 IC21.3 IC21.6 IC21.7 IC22.1 IC22.6 IC22.11 IC23A.10 IC23A.11 IC23A.17 IC23B.10 IC23B.11 IC23B.17 IC23C.10 IC23C.11 IC23C.17 IC23D.10 IC23D.11 IC23D.17 J1A.1 J1A.4 J1A.7 J1A.10 J1A.13 J1A.16 J1A.19 J1A.22 J1A.25 J1B.1 J1B.4 J1B.7 J1B.10 J1B.13 J1B.16 J1B.19 J1B.22 J1B.25 J7.2 J8.1 J8.3 J8.5 J8.7 J8.9 J8.11 J8.13 LD1.1 LD2.1 LD2.3 LD3.1 LD4.1 LD5.1 LD5.3 LD6.1 LD6.3 LD7.1 LD8.1 LD8.3 LD9.1 LD10.1 OSC1.2 R3A.1 R3B.1 R3C.1 R3D.1 R4A.1 R4B.1 R4C.1 R4D.1 R6.1 R15A.2 R15B.2 R15C.2 R15D.2 R18A.1 R18B.1 R18C.1 R18D.1 R19A.1 R19B.1 R19C.1 R19D.1 R20A.1 R20B.1 R20C.1 R20D.1 R34.1 R37.1 R38A.2 R38B.2 R38C.2 R38D.2 R39.1 R42.1 R45.1 R54A.2 R54B.2 R54C.2 R54D.2 R55.2 R57A.2 R57B.2 R57C.2 R57D.2 R58A.2 R58B.2 R58C.2 R58D.2 R60.1 R61.1 R62.1 R63.1 R64.1 R65.1 R69.1 R70.1 R71.1 R72.1 R74.1 R75.1 R76.1 R77.1 R80.1 R81.1 R82.2 R83.1 R85.1 R86.1 R87.2 R88A.1 R88B.1 R88C.1 R88D.1 R89A.2 R89B.2 R89C.2 R89D.2 R94A.1 R94B.1 R94C.1 R94D.1 R95.1 R100A.2 R100B.2 R100C.2 R100D.2 R101.1 R102.1 R104A.1 R104B.1 R104C.1 R104D.1 R105A.1 R105B.1 R105C.1 R105D.1 R106A.1 R106B.1 R106C.1 R106D.1 R107A.1 R107B.1 R107C.1 R107D.1 R108.2 R110.2 R111.1 R112A.2 R112B.2 R112C.2 R112D.2 R119.1 R126.1 R127.1 R128.1 R130.1 R132.1 R135.1 R136.1 R138A.1 R138B.1 R138C.1 R138D.1 R141.1 R149.1 TR1A.2 TR1A.3 TR1A.5 TR1B.2 TR1B.3 TR1B.5 TR1C.2 TR1C.3 TR1C.5 TR1D.2 TR1D.3 TR1D.5 TR2.1 TR2.2 TR2.5 TR3.1 TR3.2 TR3.5 | length 1508.8